# Altium PCB Flow_Pump.PcbDoc (part 3 of 5)
Units mm, origin at the board's own origin, x right, y up, seen from the top; angles counter-clockwise.
Board outline 203 x 203 mm, 2 copper layers (Top Layer, Bottom Layer); 250 components, 181 nets, 863 pads, 3284 vias.
Unrouted connection lines stored in the file: 1.
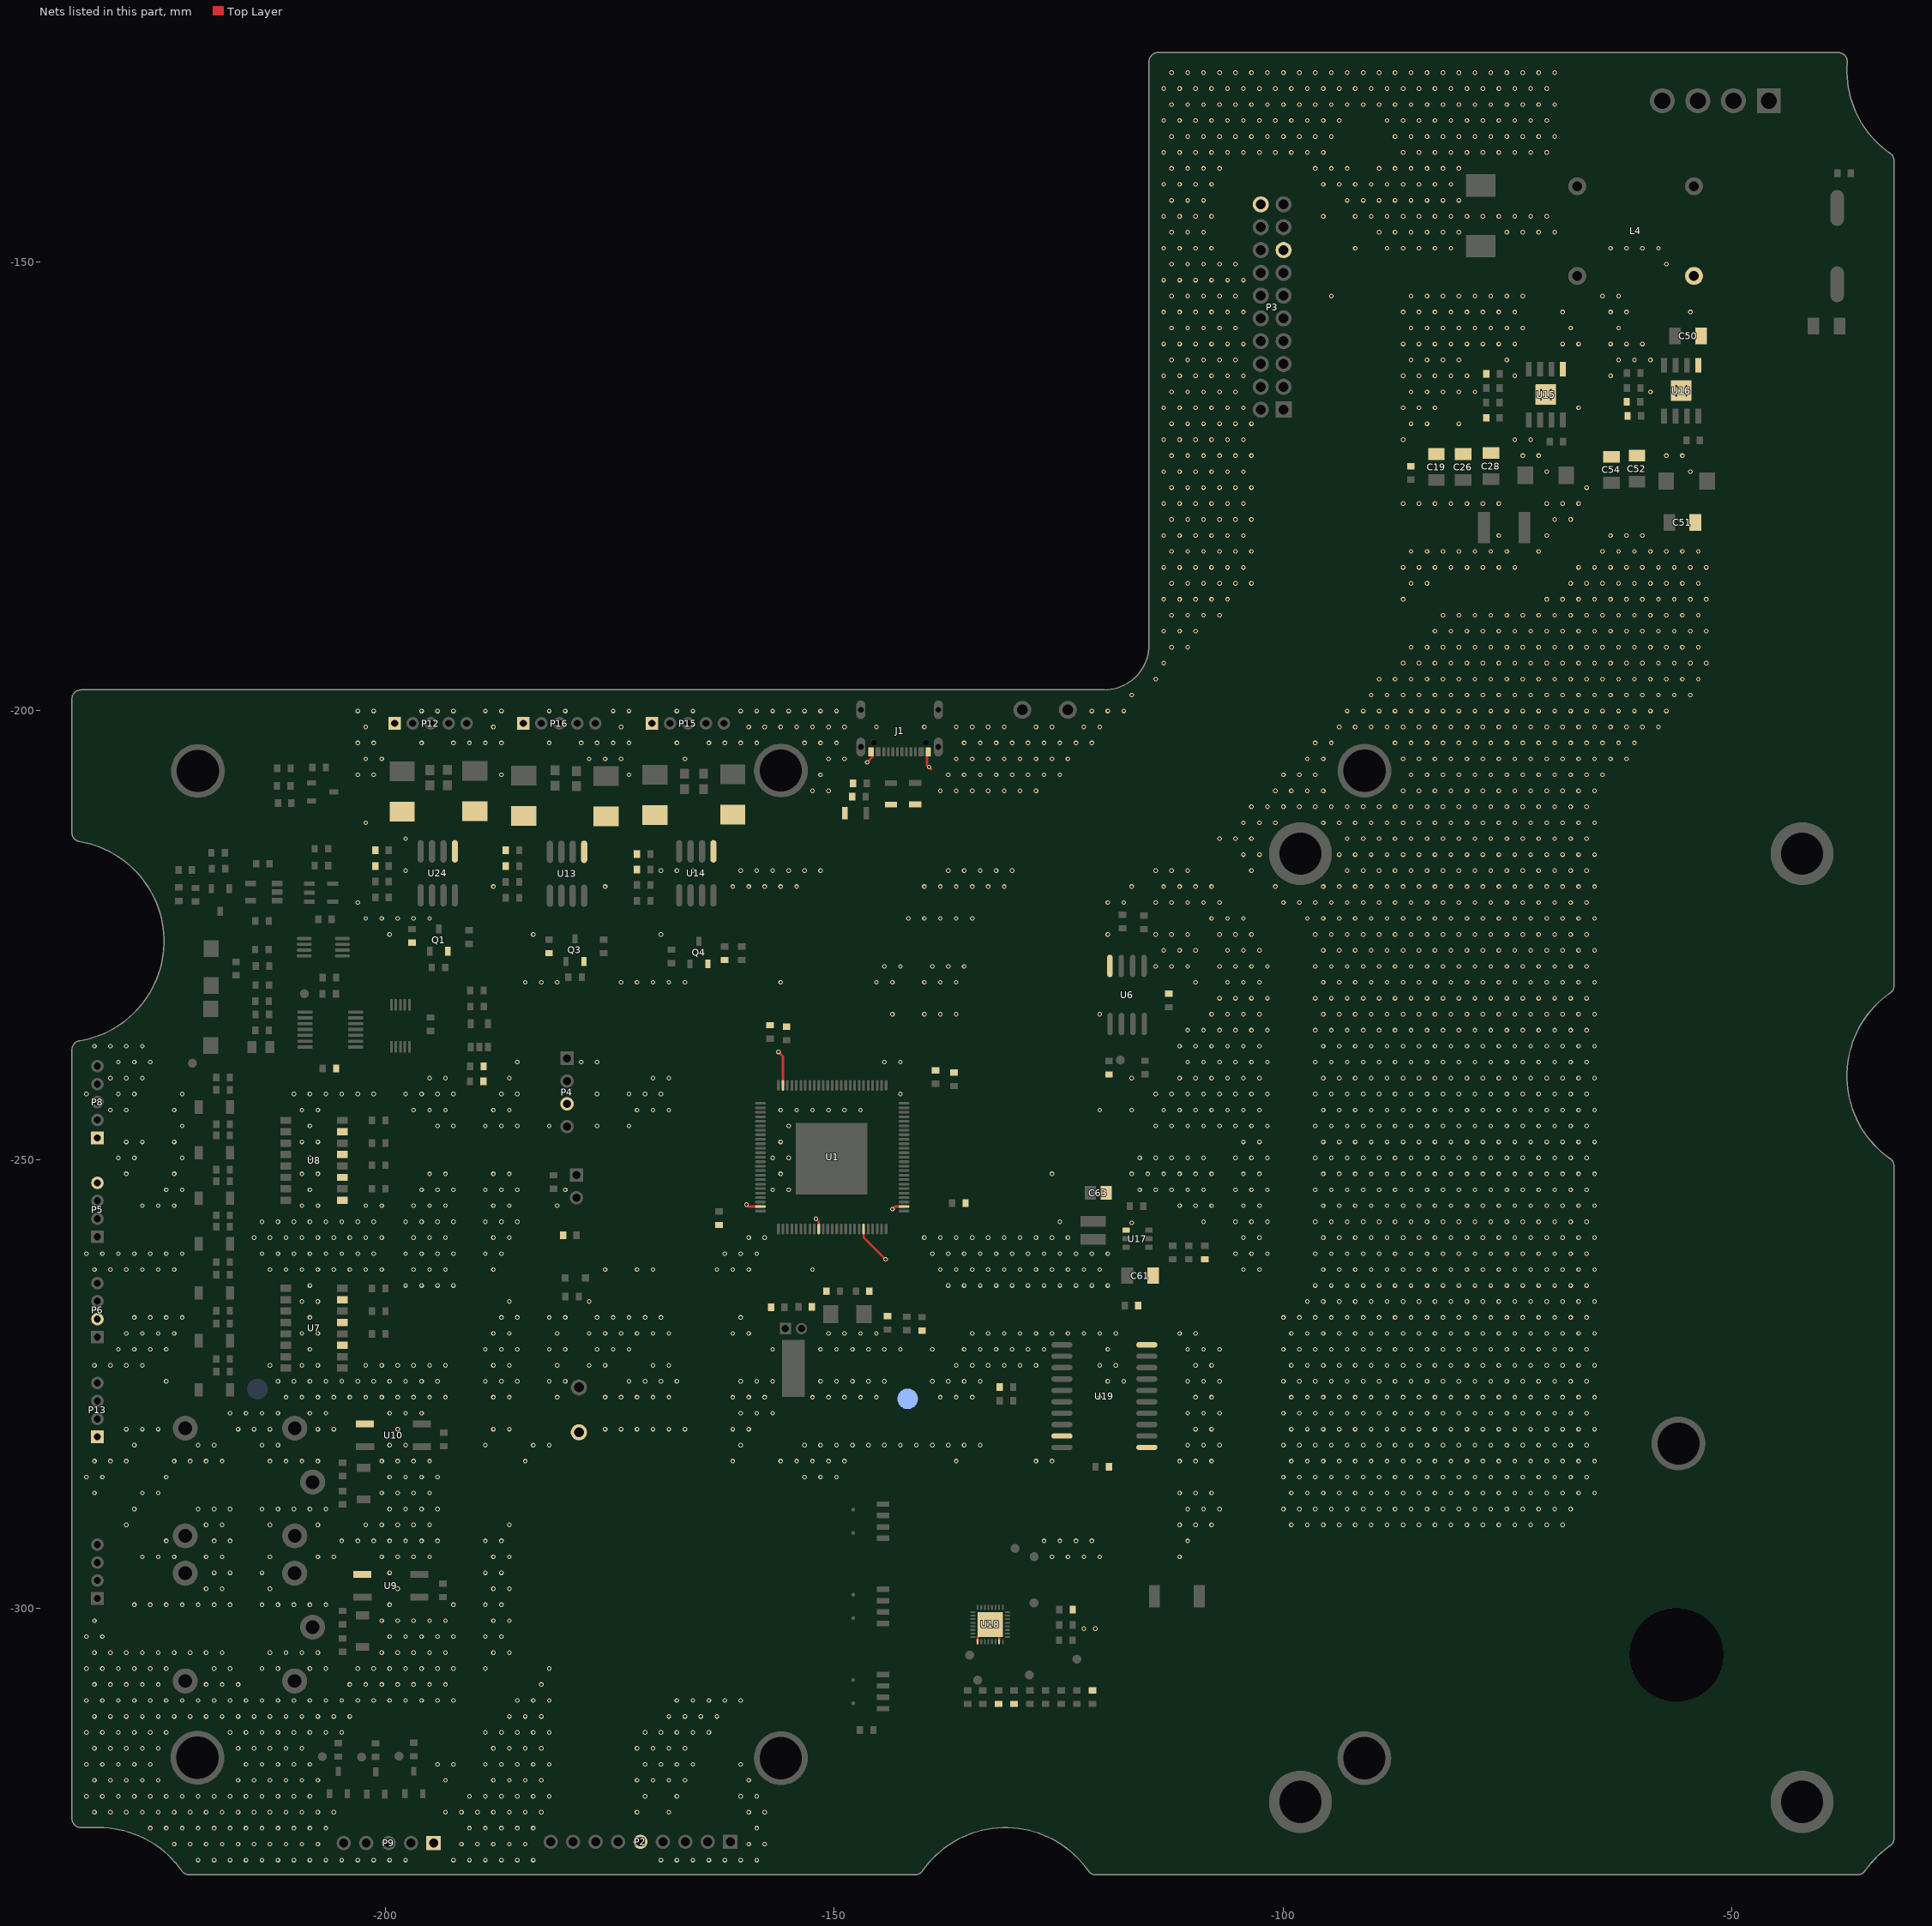
[diagram p3: the nets of this part, all layers, seen from the top]

## Via types
v1: diameter 0.508, hole 0.305, Top Layer to Bottom Layer, tented both sides, 3107 vias
v2: diameter 0.508, hole 0.305, Top Layer to Bottom Layer, 79 vias
v3: diameter 1.016, hole 0.508, Top Layer to Bottom Layer, tented both sides, 73 vias
v4: diameter 1.016, hole 0.762, Top Layer to Bottom Layer, 11 vias
v5: diameter 0.5, hole 0.2, Top Layer to Bottom Layer, 8 vias
v6: diameter 2.032, hole 1.524, Top Layer to Bottom Layer, 3 vias
v7: diameter 0.762, hole 0.508, Top Layer to Bottom Layer, tented both sides, 2 vias
v8: diameter 1.524, hole 1.016, Top Layer to Bottom Layer, 1 vias

## Nets (pads, with @x,y where several pads share a name; then routed paths per layer and width w, separated by ;. In a path a pad name is that pad's centre, name@x,y a point inside that pad or via, vN(x,y) a via of type N, cw(c..) or ccw(c..) an arc to the next point about the centre after c; other vN are vias at no path point) (continued)
GND: (continued)
  other v1: -220.853,-328.041 -219.075,-328.041 -217.297,-328.041 -215.519,-328.041 -213.741,-328.041 -211.963,-328.041 -210.185,-328.041 -208.407,-328.041 -206.629,-328.041 -204.851,-328.041 -203.073,-328.041 -201.295,-328.041 -199.517,-328.041 -197.739,-328.041 -192.405,-328.041 -190.627,-328.041 -188.849,-328.041 -187.071,-328.041 -185.293,-328.041 -183.515,-328.041 -169.291,-328.041 -167.513,-328.041 -165.735,-328.041 -163.957,-328.041 -162.179,-328.041 -160.401,-328.041 -158.623,-328.041 -223.52,-326.263 -221.742,-326.263 -219.964,-326.263 -218.186,-326.263 -216.408,-326.263 -214.63,-326.263 -212.852,-326.263 -211.074,-326.263 -209.296,-326.263 -207.518,-326.263 -191.516,-326.263 -189.738,-326.263 -187.96,-326.263 -186.182,-326.263 -184.404,-326.263 -159.512,-326.263 -157.734,-326.263 -226.187,-324.485 -224.409,-324.485 -222.631,-324.485 -220.853,-324.485 -219.075,-324.485 -217.297,-324.485 -215.519,-324.485 -213.741,-324.485 -211.963,-324.485 -210.185,-324.485 -208.407,-324.485 -206.629,-324.485 -190.627,-324.485 -188.849,-324.485 -187.071,-324.485 -185.293,-324.485 -183.515,-324.485 -158.623,-324.485 -232.41,-322.707 -230.632,-322.707 -228.854,-322.707 -227.076,-322.707 -225.298,-322.707 -223.52,-322.707 -221.742,-322.707 -219.964,-322.707 -218.186,-322.707 -216.408,-322.707 -214.63,-322.707 -212.852,-322.707 -211.074,-322.707 -209.296,-322.707 -207.518,-322.707 -205.74,-322.707 -193.294,-322.707 -191.516,-322.707 -189.738,-322.707 -187.96,-322.707 -186.182,-322.707 -184.404,-322.707 -182.626,-322.707 -171.958,-322.707 -168.402,-322.707 -159.512,-322.707 -157.734,-322.707 -233.299,-320.929 -231.521,-320.929 -229.743,-320.929 -227.965,-320.929 -226.187,-320.929 -224.409,-320.929 -222.631,-320.929 -220.853,-320.929 -219.075,-320.929 -217.297,-320.929 -215.519,-320.929 -213.741,-320.929 -211.963,-320.929 -210.185,-320.929 -208.407,-320.929 -190.627,-320.929 -188.849,-320.929 -187.071,-320.929 -185.293,-320.929 -183.515,-320.929 -181.737,-320.929 -171.069,-320.929 -167.513,-320.929 -160.401,-320.929 -158.623,-320.929 -232.41,-319.151 -230.632,-319.151 -228.854,-319.151 -227.076,-319.151 -225.298,-319.151 -216.408,-319.151 -214.63,-319.151 -212.852,-319.151 -211.074,-319.151 -209.296,-319.151 -207.518,-319.151 -193.294,-319.151 -187.96,-319.151 -186.182,-319.151 -184.404,-319.151 -182.626,-319.151 -171.958,-319.151 -170.18,-319.151 -168.402,-319.151 -166.624,-319.151 -159.512,-319.151 -233.299,-317.373 -231.521,-317.373 -229.743,-317.373 -227.965,-317.373 -226.187,-317.373 -215.519,-317.373 -213.741,-317.373 -211.963,-317.373 -210.185,-317.373 -208.407,-317.373 -194.183,-317.373 -192.405,-317.373 -188.849,-317.373 -187.071,-317.373 -185.293,-317.373 -183.515,-317.373 -181.737,-317.373 -171.069,-317.373 -169.291,-317.373 -167.513,-317.373 -165.735,-317.373 -160.401,-317.373 -232.41,-315.595 -230.632,-315.595 -228.854,-315.595 -227.076,-315.595 -225.298,-315.595 -216.408,-315.595 -214.63,-315.595 -212.852,-315.595 -211.074,-315.595 -209.296,-315.595 -187.96,-315.595 -186.182,-315.595 -184.404,-315.595 -182.626,-315.595 -171.958,-315.595 -170.18,-315.595 -168.402,-315.595 -166.624,-315.595 -233.299,-313.817 -231.521,-313.817 -229.743,-313.817 -227.965,-313.817 -226.187,-313.817 -224.409,-313.817 -217.297,-313.817 -215.519,-313.817 -213.741,-313.817 -211.963,-313.817 -210.185,-313.817 -208.407,-313.817 -206.629,-313.817 -204.851,-313.817 -188.849,-313.817 -187.071,-313.817 -185.293,-313.817 -183.515,-313.817 -181.737,-313.817 -171.069,-313.817 -169.291,-313.817 -167.513,-313.817 -165.735,-313.817 -163.957,-313.817 -232.41,-312.039 -230.632,-312.039 -228.854,-312.039 -227.076,-312.039 -225.298,-312.039 -223.52,-312.039 -221.742,-312.039 -219.964,-312.039 -218.186,-312.039 -216.408,-312.039 -214.63,-312.039 -212.852,-312.039 -211.074,-312.039 -209.296,-312.039 -207.518,-312.039 -205.74,-312.039 -203.962,-312.039 -186.182,-312.039 -184.404,-312.039 -182.626,-312.039 -168.402,-312.039 -166.624,-312.039 -164.846,-312.039 -163.068,-312.039 -233.299,-310.261 -231.521,-310.261 -229.743,-310.261 -227.965,-310.261 -226.187,-310.261 -224.409,-310.261 -222.631,-310.261 -220.853,-310.261 -219.075,-310.261 -217.297,-310.261 -215.519,-310.261 -213.741,-310.261 -211.963,-310.261 -210.185,-310.261 -208.407,-310.261 -206.629,-310.261 -204.851,-310.261 -203.073,-310.261 -201.295,-310.261 -199.517,-310.261 -197.739,-310.261 -195.961,-310.261 -194.183,-310.261 -192.405,-310.261 -185.293,-310.261 -183.515,-310.261 -181.737,-310.261 -167.513,-310.261 -165.735,-310.261 -163.957,-310.261 -162.179,-310.261 -160.401,-310.261 -232.41,-308.483 -230.632,-308.483 -228.854,-308.483 -227.076,-308.483 -225.298,-308.483 -219.964,-308.483 -218.186,-308.483 -216.408,-308.483 -203.962,-308.483 -202.184,-308.483 -200.406,-308.483 -198.628,-308.483 -196.85,-308.483 -195.072,-308.483 -193.294,-308.483 -182.626,-308.483 -233.299,-306.705 -231.521,-306.705 -229.743,-306.705 -227.965,-306.705 -226.187,-306.705 -224.409,-306.705 -219.075,-306.705 -217.297,-306.705 -213.741,-306.705 -211.963,-306.705 -208.407,-306.705 -206.629,-306.705 -203.073,-306.705 -201.295,-306.705 -199.517,-306.705 -197.739,-306.705 -195.961,-306.705 -194.183,-306.705 -192.405,-306.705 -188.849,-306.705 -181.737,-306.705 -232.41,-304.927 -230.632,-304.927 -228.854,-304.927 -227.076,-304.927 -225.298,-304.927 -223.52,-304.927 -221.742,-304.927 -219.964,-304.927 -218.186,-304.927 -212.852,-304.927 -211.074,-304.927 -209.296,-304.927 -207.518,-304.927 -200.406,-304.927 -198.628,-304.927 -196.85,-304.927 -195.072,-304.927 -193.294,-304.927 -187.96,-304.927 -186.182,-304.927 -233.299,-303.149 -231.521,-303.149 -199.517,-303.149 -197.739,-303.149 -195.961,-303.149 -194.183,-303.149 -192.405,-303.149 -188.849,-303.149 -187.071,-303.149 -122.174,-302.26 -120.904,-302.26 -232.41,-301.371 -200.406,-301.371 -198.628,-301.371 -196.85,-301.371 -195.072,-301.371 -193.294,-301.371 -187.96,-301.371 -186.182,-301.371 -227.965,-299.593 -226.187,-299.593 -224.409,-299.593 -222.631,-299.593 -220.853,-299.593 -219.075,-299.593 -217.297,-299.593 -213.741,-299.593 -211.963,-299.593 -210.185,-299.593 -208.407,-299.593 -206.629,-299.593 -199.517,-299.593 -192.405,-299.593 -188.849,-299.593 -187.071,-299.593 -219.964,-297.815 -218.186,-297.815 -212.852,-297.815 -198.628,-297.815 -187.96,-297.815 -186.182,-297.815 -219.075,-296.037 -217.297,-296.037 -213.741,-296.037 -199.517,-296.037 -188.849,-296.037 -187.071,-296.037 -227.076,-294.259 -225.298,-294.259 -223.52,-294.259 -219.964,-294.259 -218.186,-294.259 -212.852,-294.259 -207.518,-294.259 -205.74,-294.259 -200.406,-294.259 -198.628,-294.259 -196.85,-294.259 -195.072,-294.259 -187.96,-294.259 -186.182,-294.259 -125.73,-294.259 -123.952,-294.259 -122.174,-294.259 -120.396,-294.259 -111.506,-294.259 -224.409,-292.481 -219.075,-292.481 -217.297,-292.481 -204.851,-292.481 -203.073,-292.481 -201.295,-292.481 -199.517,-292.481 -197.739,-292.481 -195.961,-292.481 -194.183,-292.481 -188.849,-292.481 -187.071,-292.481 -126.619,-292.481 -124.841,-292.481 -123.063,-292.481 -121.285,-292.481 -110.617,-292.481 -228.854,-290.703 -219.964,-290.703 -218.186,-290.703 -212.852,-290.703 -207.518,-290.703 -202.184,-290.703 -200.406,-290.703 -198.628,-290.703 -196.85,-290.703 -195.072,-290.703 -186.182,-290.703 -111.506,-290.703 -109.728,-290.703 -107.95,-290.703 -99.06,-290.703 -97.282,-290.703 -95.504,-290.703 -93.726,-290.703 -91.948,-290.703 -90.17,-290.703 -88.392,-290.703 -86.614,-290.703 -84.836,-290.703 -83.058,-290.703 -81.28,-290.703 -79.502,-290.703 -77.724,-290.703 -75.946,-290.703 -74.168,-290.703 -72.39,-290.703 -70.612,-290.703 -68.834,-290.703 -227.965,-288.925 -220.853,-288.925 -219.075,-288.925 -217.297,-288.925 -213.741,-288.925 -211.963,-288.925 -210.185,-288.925 -208.407,-288.925 -206.629,-288.925 -199.517,-288.925 -197.739,-288.925 -195.961,-288.925 -194.183,-288.925 -110.617,-288.925 -108.839,-288.925 -107.061,-288.925 -99.949,-288.925 -98.171,-288.925 -96.393,-288.925 -94.615,-288.925 -92.837,-288.925 -91.059,-288.925 -89.281,-288.925 -87.503,-288.925 -85.725,-288.925 -83.947,-288.925 -82.169,-288.925 -80.391,-288.925 -78.613,-288.925 -76.835,-288.925 -75.057,-288.925 -73.279,-288.925 -71.501,-288.925 -69.723,-288.925 -67.945,-288.925 -232.41,-287.147 -227.076,-287.147 -225.298,-287.147 -200.406,-287.147 -198.628,-287.147 -196.85,-287.147 -195.072,-287.147 -111.506,-287.147 -109.728,-287.147 -107.95,-287.147 -99.06,-287.147 -97.282,-287.147 -95.504,-287.147 -93.726,-287.147 -91.948,-287.147 -90.17,-287.147 -88.392,-287.147 -86.614,-287.147 -84.836,-287.147 -83.058,-287.147 -81.28,-287.147 -79.502,-287.147 -77.724,-287.147 -75.946,-287.147 -74.168,-287.147 -72.39,-287.147 -70.612,-287.147 -68.834,-287.147 -67.056,-287.147 -65.278,-287.147 -233.299,-285.369 -231.521,-285.369 -224.409,-285.369 -199.517,-285.369 -197.739,-285.369 -195.961,-285.369 -194.183,-285.369 -153.289,-285.369 -151.511,-285.369 -149.733,-285.369 -99.949,-285.369 -98.171,-285.369 -96.393,-285.369 -94.615,-285.369 -92.837,-285.369 -91.059,-285.369 -89.281,-285.369 -87.503,-285.369 -85.725,-285.369 -83.947,-285.369 -82.169,-285.369 -80.391,-285.369 -78.613,-285.369 -76.835,-285.369 -75.057,-285.369 -73.279,-285.369 -71.501,-285.369 -69.723,-285.369 -67.945,-285.369 -66.167,-285.369 -232.41,-283.591 -230.632,-283.591 -228.854,-283.591 -223.52,-283.591 -221.742,-283.591 -219.964,-283.591 -218.186,-283.591 -212.852,-283.591 -211.074,-283.591 -209.296,-283.591 -207.518,-283.591 -200.406,-283.591 -198.628,-283.591 -196.85,-283.591 -195.072,-283.591 -184.404,-283.591 -161.29,-283.591 -155.956,-283.591 -154.178,-283.591 -152.4,-283.591 -150.622,-283.591 -148.844,-283.591 -136.398,-283.591 -127.508,-283.591 -125.73,-283.591 -111.506,-283.591 -109.728,-283.591 -107.95,-283.591 -99.06,-283.591 -97.282,-283.591 -95.504,-283.591 -93.726,-283.591 -91.948,-283.591 -90.17,-283.591 -88.392,-283.591 -86.614,-283.591 -84.836,-283.591 -83.058,-283.591 -81.28,-283.591 -79.502,-283.591 -77.724,-283.591 -75.946,-283.591 -74.168,-283.591 -72.39,-283.591 -70.612,-283.591 -68.834,-283.591 -67.056,-283.591 -65.278,-283.591 -227.965,-281.813 -220.853,-281.813 -219.075,-281.813 -213.741,-281.813 -211.963,-281.813 -199.517,-281.813 -197.739,-281.813 -188.849,-281.813 -183.515,-281.813 -181.737,-281.813 -160.401,-281.813 -153.289,-281.813 -151.511,-281.813 -149.733,-281.813 -147.955,-281.813 -146.177,-281.813 -144.399,-281.813 -142.621,-281.813 -140.843,-281.813 -139.065,-281.813 -137.287,-281.813 -135.509,-281.813 -133.731,-281.813 -110.617,-281.813 -108.839,-281.813 -107.061,-281.813 -99.949,-281.813 -98.171,-281.813 -96.393,-281.813 -94.615,-281.813 -92.837,-281.813 -91.059,-281.813 -89.281,-281.813 -87.503,-281.813 -85.725,-281.813 -83.947,-281.813 -82.169,-281.813 -80.391,-281.813 -78.613,-281.813 -76.835,-281.813 -75.057,-281.813 -73.279,-281.813 -71.501,-281.813 -69.723,-281.813 -67.945,-281.813 -66.167,-281.813 -228.854,-280.035 -227.076,-280.035 -225.298,-280.035 -216.408,-280.035 -214.63,-280.035 -212.852,-280.035 -207.518,-280.035 -205.74,-280.035 -198.628,-280.035 -187.96,-280.035 -186.182,-280.035 -175.514,-280.035 -173.736,-280.035 -171.958,-280.035 -170.18,-280.035 -168.402,-280.035 -166.624,-280.035 -161.29,-280.035 -159.512,-280.035 -109.728,-280.035 -107.95,-280.035 -99.06,-280.035 -97.282,-280.035 -95.504,-280.035 -93.726,-280.035 -91.948,-280.035 -90.17,-280.035 -88.392,-280.035 -86.614,-280.035 -84.836,-280.035 -83.058,-280.035 -81.28,-280.035 -79.502,-280.035 -77.724,-280.035 -75.946,-280.035 -74.168,-280.035 -72.39,-280.035 -70.612,-280.035 -68.834,-280.035 -67.056,-280.035 -65.278,-280.035 -217.297,-278.257 -215.519,-278.257 -213.741,-278.257 -211.963,-278.257 -208.407,-278.257 -206.629,-278.257 -199.517,-278.257 -197.739,-278.257 -195.961,-278.257 -160.401,-278.257 -158.623,-278.257 -156.845,-278.257 -110.617,-278.257 -108.839,-278.257 -107.061,-278.257 -99.949,-278.257 -98.171,-278.257 -96.393,-278.257 -94.615,-278.257 -92.837,-278.257 -91.059,-278.257 -89.281,-278.257 -87.503,-278.257 -85.725,-278.257 -83.947,-278.257 -82.169,-278.257 -80.391,-278.257 -78.613,-278.257 -76.835,-278.257 -75.057,-278.257 -73.279,-278.257 -71.501,-278.257 -69.723,-278.257 -67.945,-278.257 -66.167,-278.257 -211.074,-276.479 -209.296,-276.479 -207.518,-276.479 -205.74,-276.479 -203.962,-276.479 -202.184,-276.479 -200.406,-276.479 -198.628,-276.479 -196.85,-276.479 -195.072,-276.479 -193.294,-276.479 -187.96,-276.479 -186.182,-276.479 -180.848,-276.479 -175.514,-276.479 -173.736,-276.479 -171.958,-276.479 -170.18,-276.479 -168.402,-276.479 -161.29,-276.479 -159.512,-276.479 -157.734,-276.479 -152.4,-276.479 -150.622,-276.479 -148.844,-276.479 -147.066,-276.479 -145.288,-276.479 -138.176,-276.479 -136.398,-276.479 -134.62,-276.479 -120.396,-276.479 -109.728,-276.479 -107.95,-276.479 -99.06,-276.479 -97.282,-276.479 -95.504,-276.479 -93.726,-276.479 -91.948,-276.479 -90.17,-276.479 -88.392,-276.479 -86.614,-276.479 -84.836,-276.479 -83.058,-276.479 -81.28,-276.479 -79.502,-276.479 -77.724,-276.479 -75.946,-276.479 -74.168,-276.479 -72.39,-276.479 -70.612,-276.479 -68.834,-276.479 -67.056,-276.479 -65.278,-276.479 -224.409,-274.701 -211.963,-274.701 -210.185,-274.701 -208.407,-274.701 -206.629,-274.701 -204.851,-274.701 -203.073,-274.701 -201.295,-274.701 -199.517,-274.701 -197.739,-274.701 -195.961,-274.701 -194.183,-274.701 -188.849,-274.701 -187.071,-274.701 -185.293,-274.701 -181.737,-274.701 -179.959,-274.701 -172.847,-274.701 -171.069,-274.701 -169.291,-274.701 -167.513,-274.701 -160.401,-274.701 -158.623,-274.701 -156.845,-274.701 -151.511,-274.701 -149.733,-274.701 -147.955,-274.701 -146.177,-274.701 -144.399,-274.701 -139.065,-274.701 -137.287,-274.701 -135.509,-274.701 -133.731,-274.701 -119.507,-274.701 -117.729,-274.701 -110.617,-274.701 -108.839,-274.701 -107.061,-274.701 -99.949,-274.701 -98.171,-274.701 -96.393,-274.701 -94.615,-274.701 -92.837,-274.701 -91.059,-274.701 -89.281,-274.701 -87.503,-274.701 -85.725,-274.701 -83.947,-274.701 -82.169,-274.701 -80.391,-274.701 -78.613,-274.701 -76.835,-274.701 -75.057,-274.701 -73.279,-274.701 -71.501,-274.701 -69.723,-274.701 -67.945,-274.701 -66.167,-274.701 -232.41,-272.923 -230.632,-272.923 -228.854,-272.923 -227.076,-272.923 -212.852,-272.923 -209.296,-272.923 -207.518,-272.923 -202.184,-272.923 -200.406,-272.923 -198.628,-272.923 -196.85,-272.923 -195.072,-272.923 -193.294,-272.923 -187.96,-272.923 -186.182,-272.923 -180.848,-272.923 -177.292,-272.923 -175.514,-272.923 -170.18,-272.923 -168.402,-272.923 -136.398,-272.923 -134.62,-272.923 -132.842,-272.923 -131.064,-272.923 -129.286,-272.923 -127.508,-272.923 -120.396,-272.923 -118.618,-272.923 -109.728,-272.923 -107.95,-272.923 -99.06,-272.923 -97.282,-272.923 -95.504,-272.923 -93.726,-272.923 -91.948,-272.923 -90.17,-272.923 -88.392,-272.923 -86.614,-272.923 -84.836,-272.923 -83.058,-272.923 -81.28,-272.923 -79.502,-272.923 -77.724,-272.923 -75.946,-272.923 -74.168,-272.923 -72.39,-272.923 -70.612,-272.923 -68.834,-272.923 -67.056,-272.923 -65.278,-272.923 -229.743,-271.145 -227.965,-271.145 -226.187,-271.145 -224.409,-271.145 -208.407,-271.145 -188.849,-271.145 -187.071,-271.145 -185.293,-271.145 -181.737,-271.145 -179.959,-271.145 -176.403,-271.145 -174.625,-271.145 -172.847,-271.145 -156.845,-271.145 -151.511,-271.145 -149.733,-271.145 -147.955,-271.145 -146.177,-271.145 -144.399,-271.145 -142.621,-271.145 -139.065,-271.145 -135.509,-271.145 -133.731,-271.145 -131.953,-271.145 -130.175,-271.145 -128.397,-271.145 -126.619,-271.145 -119.507,-271.145 -110.617,-271.145 -108.839,-271.145 -107.061,-271.145 -99.949,-271.145 -98.171,-271.145 -96.393,-271.145 -94.615,-271.145 -92.837,-271.145 -91.059,-271.145 -89.281,-271.145 -87.503,-271.145 -85.725,-271.145 -83.947,-271.145 -82.169,-271.145 -80.391,-271.145 -78.613,-271.145 -76.835,-271.145 -75.057,-271.145 -73.279,-271.145 -71.501,-271.145 -69.723,-271.145 -67.945,-271.145 -66.167,-271.145 -228.854,-269.367 -227.076,-269.367 -225.298,-269.367 -223.52,-269.367 -209.296,-269.367 -207.518,-269.367 -187.96,-269.367 -186.182,-269.367 -180.848,-269.367 -177.292,-269.367 -175.514,-269.367 -173.736,-269.367 -171.958,-269.367 -170.18,-269.367 -168.402,-269.367 -161.29,-269.367 -159.512,-269.367 -150.622,-269.367 -148.844,-269.367 -147.066,-269.367 -145.288,-269.367 -134.62,-269.367 -132.842,-269.367 -131.064,-269.367 -129.286,-269.367 -127.508,-269.367 -125.73,-269.367 -123.952,-269.367 -122.174,-269.367 -120.396,-269.367 -118.618,-269.367 -111.506,-269.367 -109.728,-269.367 -99.06,-269.367 -97.282,-269.367 -95.504,-269.367 -93.726,-269.367 -91.948,-269.367 -90.17,-269.367 -88.392,-269.367 -86.614,-269.367 -84.836,-269.367 -83.058,-269.367 -81.28,-269.367 -79.502,-269.367 -77.724,-269.367 -75.946,-269.367 -74.168,-269.367 -72.39,-269.367 -70.612,-269.367 -68.834,-269.367 -67.056,-269.367 -65.278,-269.367 -227.965,-267.589 -226.187,-267.589 -224.409,-267.589 -222.631,-267.589 -208.407,-267.589 -187.071,-267.589 -185.293,-267.589 -181.737,-267.589 -179.959,-267.589 -176.403,-267.589 -174.625,-267.589 -172.847,-267.589 -171.069,-267.589 -169.291,-267.589 -160.401,-267.589 -99.949,-267.589 -98.171,-267.589 -96.393,-267.589 -94.615,-267.589 -92.837,-267.589 -91.059,-267.589 -89.281,-267.589 -87.503,-267.589 -85.725,-267.589 -83.947,-267.589 -82.169,-267.589 -80.391,-267.589 -78.613,-267.589 -76.835,-267.589 -75.057,-267.589 -73.279,-267.589 -71.501,-267.589 -69.723,-267.589 -67.945,-267.589 -66.167,-267.589 -209.296,-265.811 -207.518,-265.811 -186.182,-265.811 -177.292,-265.811 -97.282,-265.811 -95.504,-265.811 -93.726,-265.811 -91.948,-265.811 -90.17,-265.811 -88.392,-265.811 -86.614,-265.811 -84.836,-265.811 -83.058,-265.811 -81.28,-265.811 -79.502,-265.811 -77.724,-265.811 -75.946,-265.811 -74.168,-265.811 -72.39,-265.811 -70.612,-265.811 -68.834,-265.811 -67.056,-265.811 -65.278,-265.811 -208.407,-264.033 -197.739,-264.033 -195.961,-264.033 -194.183,-264.033 -192.405,-264.033 -137.287,-264.033 -135.509,-264.033 -133.731,-264.033 -131.953,-264.033 -130.175,-264.033 -128.397,-264.033 -126.619,-264.033 -124.841,-264.033 -123.063,-264.033 -121.285,-264.033 -119.507,-264.033 -96.393,-264.033 -94.615,-264.033 -92.837,-264.033 -91.059,-264.033 -89.281,-264.033 -87.503,-264.033 -85.725,-264.033 -83.947,-264.033 -82.169,-264.033 -80.391,-264.033 -78.613,-264.033 -76.835,-264.033 -75.057,-264.033 -73.279,-264.033 -71.501,-264.033 -69.723,-264.033 -67.945,-264.033 -66.167,-264.033 -232.41,-262.255 -230.632,-262.255 -228.854,-262.255 -227.076,-262.255 -225.298,-262.255 -223.52,-262.255 -212.852,-262.255 -211.074,-262.255 -209.296,-262.255 -207.518,-262.255 -205.74,-262.255 -203.962,-262.255 -202.184,-262.255 -200.406,-262.255 -196.85,-262.255 -195.072,-262.255 -193.294,-262.255 -187.96,-262.255 -175.514,-262.255 -171.958,-262.255 -170.18,-262.255 -163.068,-262.255 -161.29,-262.255 -159.512,-262.255 -152.4,-262.255 -138.176,-262.255 -136.398,-262.255 -134.62,-262.255 -132.842,-262.255 -131.064,-262.255 -129.286,-262.255 -127.508,-262.255 -125.73,-262.255 -123.952,-262.255 -122.174,-262.255 -120.396,-262.255 -104.394,-262.255 -102.616,-262.255 -95.504,-262.255 -93.726,-262.255 -91.948,-262.255 -90.17,-262.255 -88.392,-262.255 -86.614,-262.255 -84.836,-262.255 -83.058,-262.255 -81.28,-262.255 -79.502,-262.255 -77.724,-262.255 -75.946,-262.255 -74.168,-262.255 -72.39,-262.255 -70.612,-262.255 -68.834,-262.255 -67.056,-262.255 -65.278,-262.255 -233.299,-260.477 -231.521,-260.477 -229.743,-260.477 -227.965,-260.477 -226.187,-260.477 -224.409,-260.477 -222.631,-260.477 -213.741,-260.477 -211.963,-260.477 -210.185,-260.477 -208.407,-260.477 -206.629,-260.477 -204.851,-260.477 -203.073,-260.477 -201.295,-260.477 -197.739,-260.477 -195.961,-260.477 -194.183,-260.477 -192.405,-260.477 -188.849,-260.477 -187.071,-260.477 -162.179,-260.477 -160.401,-260.477 -158.623,-260.477 -139.065,-260.477 -137.287,-260.477 -135.509,-260.477 -133.731,-260.477 -131.953,-260.477 -130.175,-260.477 -128.397,-260.477 